# Allegro board FMDEMOD-Long.brd (continued)
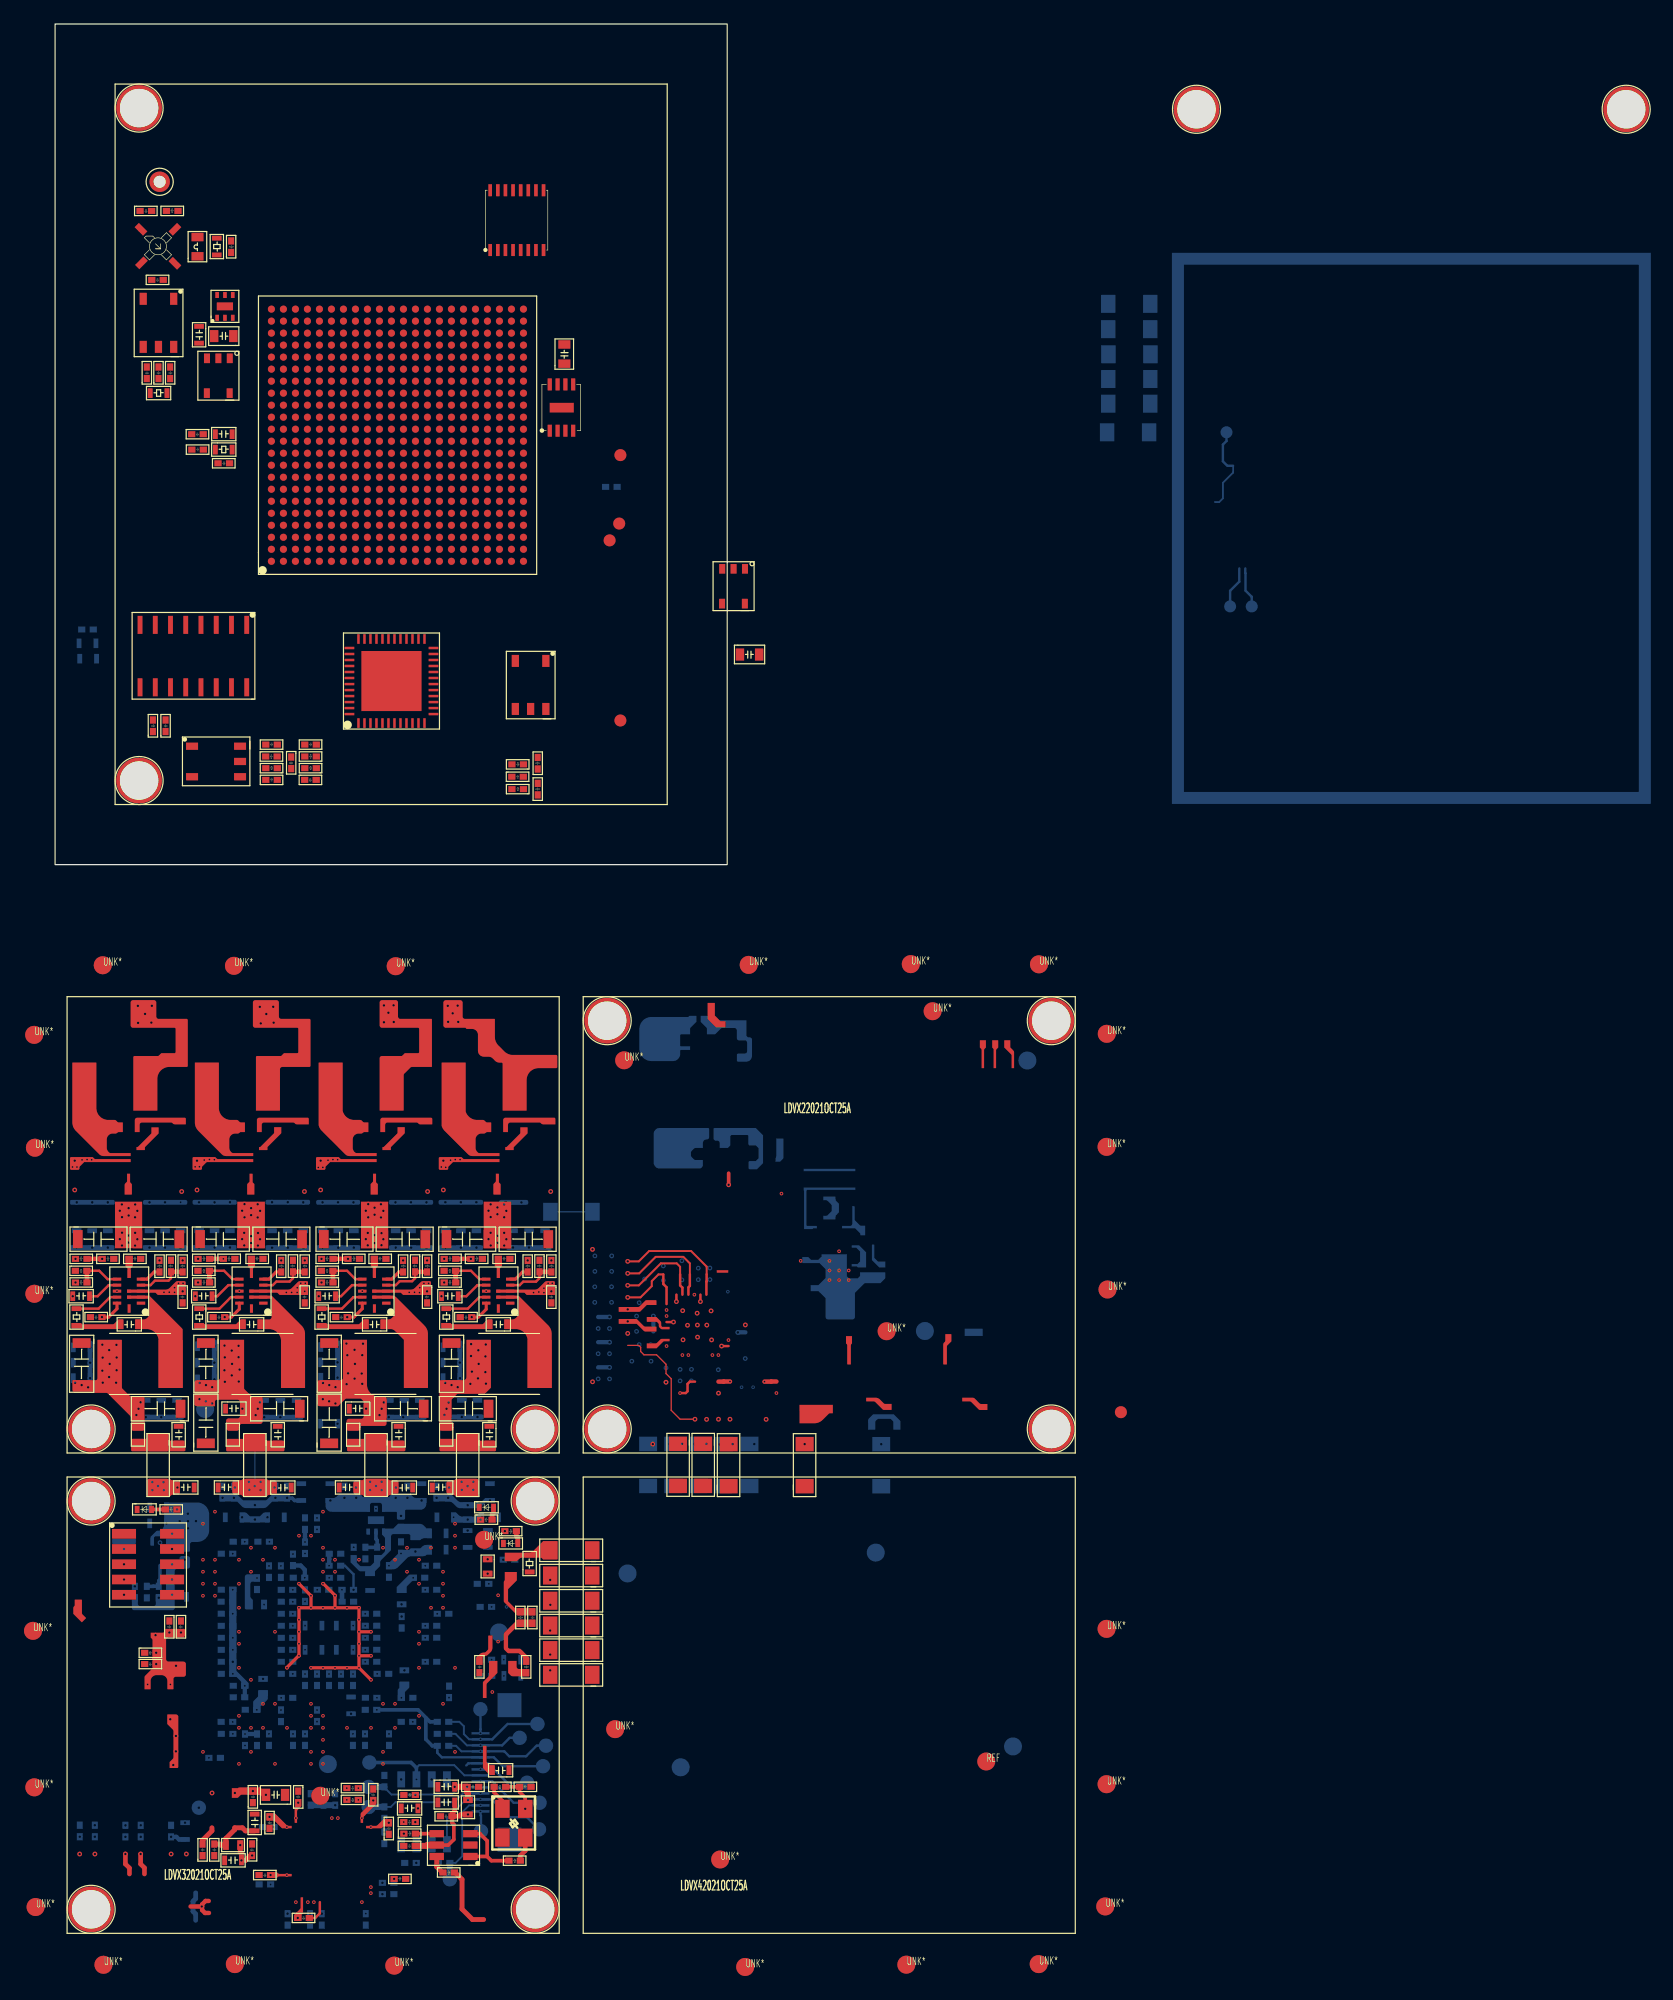
[diagram p0: board, top side]
## Placement (name value [footprint] x y rotation side) (continued)
NOREF  -  []  6.18 -55.27 0 top
NOREF#2  -  []  25.49 -90.38 0 top
NOREF#3  -  []  22.07 -72.47 0 top
NOREF#4  -  []  11.75 -48.05 90 top
NOREF#5  -  []  23.57 -51.47 0 top
NOREF#6  -  []  34.95 -83.53 90 top
NOREF#7  -  []  40.95 -36.96 0 top
NOREF#8  -  []  29.25 -30.4 90 top
NOREF#9  -  []  34.86 -62.78 90 top
NOREF#10  -  []  26.93 -61.78 90 top
NOREF#11  -  []  12.41 -38.48 90 top
NOREF#12  -  []  7 -32.01 0 top
NOREF#13  -  []  21.73 -63.78 90 top
NOREF#14  -  []  14.3 -71.92 90 top
NOREF#15  -  []  17.36 -56.92 90 top
NOREF#16  -  []  41.08 7.18 90 top
NOREF#17  -  []  11.65 -63.45 90 top
NOREF#18  -  []  33.48 -46.1 90 top
NOREF#19  -  []  33.49 -59.06 90 top
NOREF#20  -  []  41.11 -64.28 90 top
NOREF#21  -  []  20.07 -33.42 0 top
NOREF#22  -  []  28.22 -45.08 0 top
NOREF#23  -  []  22.92 -38.07 0 top
NOREF#24  -  []  18.25 42.31 90 top
NOREF#25  -  []  34.04 -57.65 90 top
NOREF#26  -  []  35.58 -54.75 90 top
NOREF#27  -  []  38.89 -55.9 90 top
NOREF#28  -  []  39.94 -58.19 0 top
NOREF#29  -  []  25.74 -31.98 90 top
NOREF#30  -  []  58.08 27.98 0 top
NOREF#31  -  []  18.41 -84.53 90 top
NOREF#32  -  []  27.05 -83.58 90 top
NOREF#33  -  []  4.72 -34 90 top
NOREF#34  -  []  16.07 -74.46 0 top
NOREF#35  -  []  20.44 -41.86 0 top
NOREF#36  -  []  15.9 -33.22 90 top
NOREF#37  -  []  28.74 -78.19 0 top
NOREF#38  -  []  8.78 -62.16 90 top
NOREF#39  -  []  22.61 -38.48 90 top
NOREF#40  -  []  20.85 -88.78 90 top
NOREF#41  -  []  34.82 -68.39 0 top
NOREF#42  -  []  26.17 -72.85 90 top
NOREF#43  -  []  21.94 8.82 0 top
NOREF#44  -  []  30.47 -82.1 90 top
NOREF#45  -  []  14.61 -83.62 90 top
NOREF#46  -  []  22.07 -69.46 0 top
NOREF#47  -  []  17.29 -72.85 0 top
NOREF#48  -  []  27.01 -58.91 90 top
NOREF#49  -  []  6.18 -55.27 90 top
NOREF#50  -  []  15.27 -68.56 90 top
NOREF#51  -  []  20.41 -36.96 90 top
NOREF#52  -  []  -0.18 -43.18 0 top
NOREF#53  -  []  33.26 -73.56 90 top
NOREF#54  -  []  22.17 -72.85 90 top
NOREF#55  -  []  27.5 -32.01 0 top
NOREF#56  -  []  18.38 -67.56 0 top
NOREF#57  -  []  18.31 -35.03 0 top
NOREF#58  -  []  40.89 12.96 90 top
NOREF#59  -  []  2.84 -34 0 top
NOREF#60  -  []  18.15 -45.87 0 top
NOREF#61  -  []  21.73 -63.78 0 top
NOREF#62  -  []  9.47 48.3 90 top
NOREF#63  -  []  1.37 -35.53 0 top
NOREF#64  -  []  27.65 -57.83 0 top
NOREF#65  -  []  33.39 -77.2 90 top
NOREF#66  -  []  24.86 -60.78 90 top
NOREF#67  -  []  28.6 -77.86 0 top
NOREF#68  -  []  30.12 -51.45 90 top
NOREF#69  -  []  33.83 -42.37 90 top
NOREF#70  -  []  2.49 -38.07 0 top
NOREF#71  -  []  35.44 -35.97 90 top
NOREF#72  -  []  33.29 -38.07 0 top
NOREF#73  -  []  28.79 -78.93 90 top
NOREF#74  -  []  19.31 -52.26 90 top
NOREF#75  -  []  25.48 -51.59 90 top
NOREF#76  -  []  23.63 -46.97 90 top
NOREF#77  -  []  11.51 14.31 0 top
NOREF#78  -  []  36.88 -56.72 0 top
NOREF#79  -  []  30.46 -35.03 0 top
NOREF#80  -  []  14.41 -62.02 0 top
NOREF#81  -  []  13.05 -34 0 top
NOREF#82  -  []  30.54 -28.8 0 top
NOREF#83  -  []  22.54 -30.38 0 top
NOREF#84  -  []  21.29 -54.87 0 top
NOREF#85  -  []  16.86 -60.78 90 top
NOREF#86  -  []  5.24 -31.98 90 top
NOREF#87  -  []  18.98 -32 90 top
NOREF#88  -  []  32.17 -46.1 90 top
NOREF#89  -  []  14.1 -44.9 0 top
NOREF#90  -  []  22.98 -60.78 0 top
NOREF#91  -  []  40.46 6.31 0 top
NOREF#92  -  []  19.76 -88.11 0 top
NOREF#93  -  []  36.47 -33.22 90 top
NOREF#94  -  []  26.15 -32.44 0 top
NOREF#95  -  []  12.88 -31.99 90 top
NOREF#96  -  []  15.32 10.5 90 top
NOREF#97  -  []  15.73 -80.58 90 top
NOREF#98  -  []  23.44 -61.56 0 top
NOREF#99  -  []  15.3 -69.87 90 top
NOREF#100  -  []  16.43 -75.42 0 top
NOREF#101  -  []  23.93 -63.77 90 top
NOREF#102  -  []  11.78 -63 0 top
NOREF#103  -  []  18.94 -53.19 0 top
NOREF#104  -  []  34.78 -46.1 90 top
NOREF#105  -  []  7 -66.97 0 top
NOREF#106  -  []  38.53 11.79 90 top
NOREF#107  -  []  33.53 -79.64 90 top
NOREF#108  -  []  35.96 -46.12 90 top
NOREF#109  -  []  28.3 -52.29 0 top
NOREF#110  -  []  8.88 -66.03 90 top
NOREF#111  -  []  23.95 -69.46 90 top
NOREF#112  -  []  23.72 -49.71 0 top
NOREF#113  -  []  42.34 8.46 90 top
NOREF#114  -  []  9.77 -62.16 90 top
NOREF#115  -  []  21.64 -88.11 90 top
NOREF#116  -  []  38.9 -67.15 0 top
NOREF#117  -  []  12.07 -39.03 0 top
NOREF#118  -  []  20.79 -54.75 90 top
NOREF#119  -  []  11.78 -62 0 top
NOREF#120  -  []  40.11 -64.28 90 top
NOREF#121  -  []  22.02 -48.05 90 top
NOREF#122  -  []  12.53 33.39 0 top
NOREF#123  -  []  21.68 -77.19 90 top
NOREF#124  -  []  31.98 -63.78 0 top
NOREF#125  -  []  28.59 -82.1 0 top
NOREF#126  -  []  39.2 5.11 0 top
NOREF#127  -  []  40.41 -31.99 90 top
NOREF#128  -  []  24.7 -49.71 0 top
NOREF#129  -  []  14.52 -67.99 0 top
NOREF#130  -  []  14.03 -81.25 0 top
NOREF#131  -  []  42.7 -35.03 90 top
NOREF#132  -  []  33.86 -66.78 90 top
NOREF#133  -  []  32.09 -35.53 0 top
NOREF#134  -  []  21.95 -59.48 90 top
NOREF#135  -  []  32.02 -55.8 90 top
NOREF#136  -  []  4.37 -38.07 90 top
NOREF#137  -  []  3.36 19.19 0 top
NOREF#138  -  []  35.82 -51.45 90 top
NOREF#139  -  []  8.27 -31.2 0 top
NOREF#140  -  []  -1.78 -41.59 0 top
NOREF#141  -  []  10.94 39.38 90 top
NOREF#142  -  []  1.39 -31.99 90 top
NOREF#143  -  []  37.29 -65 0 top
NOREF#144  -  []  11.49 -46.68 90 top
NOREF#145  -  []  28.97 -49.71 0 top
NOREF#146  -  []  36.13 -38.69 0 top
NOREF#147  -  []  23.07 -69.46 0 top
NOREF#148  -  []  18.69 5.88 0 top
NOREF#149  -  []  0 -90 90 top
NOREF#150  -  []  25.86 -57.78 90 top
NOREF#151  -  []  11.76 -83.62 0 top
NOREF#152  -  []  25.82 -38.69 0 top
NOREF#153  -  []  20.26 -61.56 90 top
NOREF#154  -  []  40.5 -67.96 90 top
NOREF#155  -  []  35.65 -53.75 0 top
NOREF#156  -  []  27.53 -63.11 0 top
NOREF#157  -  []  33.84 -43.19 90 top
NOREF#158  -  []  28.39 -69.77 0 top
NOREF#159  -  []  10.34 -54.87 0 top
NOREF#160  -  []  17.86 -56.78 90 top
NOREF#161  -  []  29.5 -70.1 90 top
NOREF#162  -  []  14.85 35.44 90 top
NOREF#163  -  []  8.99 39.38 90 top
NOREF#164  -  []  27.39 -44.52 90 top
NOREF#165  -  []  28.19 -81.21 90 top
NOREF#166  -  []  30.12 -49.85 0 top
NOREF#167  -  []  29.75 -51.59 90 top
NOREF#168  -  []  39.23 -83.34 90 top
NOREF#169  -  []  32.68 -55.29 0 top
NOREF#170  -  []  31.79 -77.69 0 top
NOREF#171  -  []  19.19 -53.94 0 top
NOREF#172  -  []  13.61 42.16 0 top
NOREF#173  -  []  25.73 -78.28 90 top
NOREF#174  -  []  21.8 -38.48 0 top
NOREF#175  -  []  57.47 21.73 90 top
NOREF#176  -  []  15.26 -58.56 90 top
NOREF#177  -  []  13.25 34.97 0 top
NOREF#178  -  []  3.98 -31.99 0 top
NOREF#179  -  []  36.47 -32.44 0 top
NOREF#180  -  []  3.02 -41.89 90 top
NOREF#181  -  []  8.1 -46.68 90 top
NOREF#182  -  []  26.98 -63.78 0 top
NOREF#183  -  []  17.96 -53.19 0 top
NOREF#184  -  []  32.98 -62.78 0 top
NOREF#185  -  []  37.72 20.67 0 top
NOREF#186  -  []  11.77 -43.28 0 top
NOREF#187  -  []  17.73 -70.81 90 top
NOREF#188  -  []  17.95 -74.46 90 top
NOREF#189  -  []  31.65 -79.64 0 top
NOREF#190  -  []  21.83 -90.38 90 top
NOREF#191  -  []  19.87 -78.58 90 top
NOREF#192  -  []  9.9 -33.42 0 top
NOREF#193  -  []  15.08 -52.28 90 top
NOREF#194  -  []  13.18 -36.34 90 top
NOREF#195  -  []  26.98 -64.78 0 top
NOREF#196  -  []  34 -76.9 0 top
NOREF#197  -  []  24.95 -69.46 90 top
NOREF#198  -  []  15.15 45.51 0 top
NOREF#199  -  []  10.05 -31.99 90 top
NOREF#200  -  []  26.98 -65.78 0 top
NOREF#201  -  []  33.4 -32 0 top
NOREF#202  -  []  31.38 -76.18 0 top
NOREF#203  -  []  16.26 -69.56 90 top
NOREF#204  -  []  34.78 -46.1 0 top
NOREF#205  -  []  16.43 -60.83 90 top
NOREF#206  -  []  30.29 -86.13 90 top
NOREF#207  -  []  3.11 -34.22 90 top
NOREF#208  -  []  10.92 35.45 0 top
NOREF#209  -  []  1.23 -34.22 0 top
NOREF#210  -  []  33.83 -34.22 90 top
NOREF#211  -  []  32.12 -33.42 90 top
NOREF#212  -  []  14.98 -60.78 0 top
NOREF#213  -  []  32.24 -43.19 90 top
NOREF#214  -  []  23.18 -30.4 90 top
NOREF#215  -  []  40.6 -68.39 90 top
NOREF#216  -  []  28.86 -65.78 90 top
NOREF#217  -  []  33.14 -51.59 90 top
NOREF#218  -  []  12.22 -54.87 90 top
NOREF#219  -  []  22.21 6.66 90 top
NOREF#220  -  []  6.11 -82.06 0 top
NOREF#221  -  []  32.9 -58.14 90 top
NOREF#222  -  []  30.34 -79 90 top
NOREF#223  -  []  24.41 -44.9 0 top
NOREF#224  -  []  12.62 -63.45 90 top
NOREF#225  -  []  40.72 -35.03 90 top
NOREF#226  -  []  22.33 -62.96 0 top
NOREF#227  -  []  27.05 -83.58 0 top
NOREF#228  -  []  28.68 -42.92 0 top
NOREF#229  -  []  25.05 -61.78 0 top
NOREF#230  -  []  33.98 -53.95 0 top
NOREF#231  -  []  33.21 -68.23 90 top
NOREF#232  -  []  25.39 -68.21 0 top
NOREF#233  -  []  23.95 -72.47 90 top
NOREF#234  -  []  22.03 -46.97 0 top
NOREF#235  -  []  29.97 -42.92 0 top
NOREF#236  -  []  41.08 5.11 90 top
NOREF#237  -  []  8.7 -44.53 90 top
NOREF#238  -  []  35.44 -34 90 top
NOREF#239  -  []  14.4 -45.88 0 top
NOREF#240  -  []  15.63 -83.33 90 top
NOREF#241  -  []  19.31 -52.26 0 top
NOREF#242  -  []  9.87 -31.2 90 top
NOREF#243  -  []  34.7 -32 0 top
NOREF#244  -  []  20.26 -70.56 90 top
NOREF#245  -  []  12.4 44.92 90 top
NOREF#246  -  []  28.47 -61.8 90 top
NOREF#247  -  []  31.95 -34.22 0 top
NOREF#248  -  []  14.51 -49.71 0 top
NOREF#249  -  []  26.98 -62.78 0 top
NOREF#250  -  []  13.38 -58.56 0 top
NOREF#251  -  []  8.75 -31.99 0 top
NOREF#252  -  []  27.43 -56.33 0 top
NOREF#253  -  []  33.73 -84.32 90 top
NOREF#254  -  []  25.84 -62.15 0 top
NOREF#255  -  []  14.41 -62.02 90 top
NOREF#256  -  []  36.23 -53.15 0 top
NOREF#257  -  []  27.26 -71.56 90 top
NOREF#258  -  []  26.01 -45.71 90 top
NOREF#259  -  []  15.38 -69.99 0 top
NOREF#260  -  []  13.52 -70.04 0 top
NOREF#261  -  []  23.65 -43.19 90 top
NOREF#262  -  []  21.95 -33.42 90 top
NOREF#263  -  []  8.75 -31.99 90 top
NOREF#264  -  []  35.6 -77.7 90 top
NOREF#265  -  []  17.05 -52.34 0 top
NOREF#266  -  []  20.41 -36.96 0 top
NOREF#267  -  []  14.67 52.27 90 top
NOREF#268  -  []  16.53 -84.53 0 top
NOREF#269  -  []  30.6 -36.96 90 top
NOREF#270  -  []  14.16 -31.99 0 top
NOREF#271  -  []  15.41 7.32 90 top
NOREF#272  -  []  13.64 -83.62 90 top
NOREF#273  -  []  18.98 -32 0 top
NOREF#274  -  []  11.6 -38.48 0 top
NOREF#275  -  []  36.83 -62.98 90 top
NOREF#276  -  []  40.6 -33.42 0 top
NOREF#277  -  []  27.29 -72.85 0 top
NOREF#278  -  []  25.39 -68.99 90 top
NOREF#279  -  []  25.49 -90.38 90 top
NOREF#280  -  []  35.82 -49.85 0 top
NOREF#281  -  []  17.83 -78.97 90 top
NOREF#282  -  []  19.71 -42.92 0 top
NOREF#283  -  []  25.29 -72.85 0 top
NOREF#284  -  []  25.86 -59.78 90 top
NOREF#285  -  []  18.65 -53.14 90 top
NOREF#286  -  []  8.03 9.02 0 top
NOREF#287  -  []  18.55 -82.02 90 top
NOREF#288  -  []  17.03 24.26 0 top
NOREF#289  -  []  28.86 -63.78 90 top
NOREF#290  -  []  16.23 -78.16 0 top
NOREF#291  -  []  33.86 -60.78 90 top
NOREF#292  -  []  22.17 -54.87 90 top
NOREF#293  -  []  27.98 -67.78 0 top
NOREF#294  -  []  12.88 -31.99 0 top
NOREF#295  -  []  14.35 -73.74 0 top
NOREF#296  -  []  39.23 -64.28 0 top
NOREF#297  -  []  28.46 -35.03 0 top
NOREF#298  -  []  32.68 -59.06 0 top
NOREF#299  -  []  41.54 -59 90 top
NOREF#300  -  []  15.98 -56.78 0 top
NOREF#301  -  []  17.23 -32.01 0 top
NOREF#302  -  []  17.83 -79.21 90 top
NOREF#303  -  []  7 -66.03 0 top
NOREF#304  -  []  20.19 -35.03 90 top
NOREF#305  -  []  41.72 -77.97 90 top
NOREF#306  -  []  25.22 -34 90 top
NOREF#307  -  []  17.64 -59.82 90 top
NOREF#308  -  []  11.78 -43.19 90 top
NOREF#309  -  []  6.98 -39.48 0 top
NOREF#310  -  []  26.12 -78.4 90 top
NOREF#311  -  []  13.37 -40.52 90 top
NOREF#312  -  []  21.89 -28.8 0 top
NOREF#313  -  []  23.71 -77.83 90 top
NOREF#314  -  []  6.18 -53.93 90 top
NOREF#315  -  []  27.65 -57.83 90 top
NOREF#316  -  []  15.63 -82.05 90 top
NOREF#317  -  []  17.04 -34 90 top
NOREF#318  -  []  11.44 -34.22 0 top
NOREF#319  -  []  16.02 49.88 90 top
NOREF#320  -  []  10.42 53.27 0 top
NOREF#321  -  []  16.67 -82.02 0 top
NOREF#322  -  []  36.23 -54.75 90 top
NOREF#323  -  []  35.78 -34 0 top
NOREF#324  -  []  11.58 -31.99 0 top
NOREF#325  -  []  18.18 -52.29 90 top
NOREF#326  -  []  37.92 -74.2 0 top
NOREF#327  -  []  26.12 -78.4 0 top
NOREF#328  -  []  43.05 42.76 0 top
NOREF#329  -  []  33.56 -35.97 0 top
NOREF#330  -  []  33 -38.48 90 top
NOREF#331  -  []  27.36 -46.12 0 top
NOREF#332  -  []  38.72 -68.39 0 top
NOREF#333  -  []  12.23 -30.38 0 top
NOREF#334  -  []  20.26 -65.56 90 top
NOREF#335  -  []  39.2 7.18 0 top
NOREF#336  -  []  31.38 -72.56 0 top
NOREF#337  -  []  1.42 -41.59 90 top
NOREF#338  -  []  36.7 -68.39 90 top
NOREF#339  -  []  19.71 -44.52 90 top
NOREF#340  -  []  15.9 -32.44 0 top
NOREF#341  -  []  22.05 -43.19 90 top
NOREF#342  -  []  20.26 -64.56 90 top
NOREF#343  -  []  24.44 -45.88 0 top
NOREF#344  -  []  30.63 -41.88 0 top
NOREF#345  -  []  23.85 -78.28 0 top
NOREF#346  -  []  15.05 42.63 90 top
NOREF#347  -  []  2.78 -80.46 0 top
NOREF#348  -  []  24.25 -59.55 90 top
NOREF#349  -  []  2.04 -30.38 0 top
NOREF#350  -  []  25.32 -61.56 90 top
NOREF#351  -  []  12.64 -61.38 90 top
NOREF#352  -  []  33.07 -83.53 0 top
NOREF#353  -  []  26.1 -58.91 0 top
NOREF#354  -  []  20.43 -32.01 90 top
NOREF#355  -  []  32.19 -38.48 0 top
NOREF#356  -  []  31.33 -51.47 0 top
NOREF#357  -  []  16.65 -59.82 0 top
NOREF#358  -  []  45.41 31.06 0 top
NOREF#359  -  []  8.5 54.05 90 top
NOREF#360  -  []  20.33 6.66 0 top
NOREF#361  -  []  16.3 42.63 90 top
NOREF#362  -  []  6.18 -53.93 0 top
NOREF#363  -  []  11.79 -64.78 90 top
NOREF#364  -  []  4.66 -80.46 90 top
NOREF#365  -  []  10.43 -80.47 0 top
NOREF#366  -  []  33.39 -78.5 90 top
NOREF#367  -  []  35.96 -31.98 90 top
NOREF#368  -  []  37.38 -46.68 90 top
NOREF#369  -  []  30.34 -35.03 90 top
NOREF#370  -  []  7.14 -44.52 90 top
NOREF#371  -  []  18.43 -73.42 90 top
NOREF#372  -  []  18.18 -52.29 0 top
NOREF#373  -  []  27.98 -58.91 90 top
NOREF#374  -  []  38.84 -35.03 0 top
NOREF#375  -  []  14.38 -69.56 0 top
NOREF#376  -  []  21.73 -34.22 0 top
NOREF#377  -  []  37.74 -31.99 0 top
NOREF#378  -  []  11.79 -64 0 top
NOREF#379  -  []  11.98 -35.03 90 top
NOREF#380  -  []  31.38 -73.56 0 top
NOREF#381  -  []  28.03 -85.27 90 top
NOREF#382  -  []  33.86 -63.78 90 top
NOREF#383  -  []  28.77 -51.59 90 top
NOREF#384  -  []  30.54 -30.4 90 top
NOREF#385  -  []  20.44 -40.58 0 top
NOREF#386  -  []  28.86 -64.78 90 top
NOREF#387  -  []  37.72 16.86 90 top
NOREF#388  -  []  20.29 -56.87 0 top
NOREF#389  -  []  11.79 -65.78 90 top
NOREF#390  -  []  45.41 31.06 90 top
NOREF#391  -  []  21.73 -65.8 90 top
NOREF#392  -  []  10.74 -63.45 0 top
NOREF#393  -  []  19.17 -72.85 90 top
NOREF#394  -  []  32.36 -49.71 0 top
NOREF#395  -  []  20.85 -86.9 0 top
NOREF#396  -  []  16.58 -55.04 0 top
NOREF#397  -  []  29.03 -46.68 90 top
NOREF#398  -  []  15.95 -79.21 0 top
NOREF#399  -  []  32.19 -45.88 0 top
NOREF#400  -  []  16 -46.68 90 top
NOREF#401  -  []  28.18 -57.3 90 top
NOREF#402  -  []  25.13 -58.91 0 top
NOREF#403  -  []  20.44 -43.14 90 top
NOREF#404  -  []  38.89 -65.81 90 top
NOREF#405  -  []  12.03 -81.28 90 top
NOREF#406  -  []  10.56 -42.92 0 top
NOREF#407  -  []  7.89 -62.16 0 top
NOREF#408  -  []  20.44 -41.86 90 top
NOREF#409  -  []  12.73 -83.62 0 top
NOREF#410  -  []  7.11 39.38 0 top
NOREF#411  -  []  16.43 -58.95 0 top
NOREF#412  -  []  11.79 -66.78 90 top
NOREF#413  -  []  9.06 39.38 0 top
NOREF#414  -  []  14.48 50.46 90 top
NOREF#415  -  []  36.56 -67.95 0 top
NOREF#416  -  []  13.37 -41.89 90 top
NOREF#417  -  []  7.79 -39.48 90 top
NOREF#418  -  []  17.67 -30.4 90 top
NOREF#419  -  []  11.77 -41.89 0 top
NOREF#420  -  []  23.17 -54.87 90 top
NOREF#421  -  []  34.99 -54.94 0 top
NOREF#422  -  []  19.65 -61.82 90 top
NOREF#423  -  []  10.05 -31.99 0 top
NOREF#424  -  []  32.65 -81.58 90 top
NOREF#425  -  []  29.38 -59.78 0 top
NOREF#426  -  []  11.79 -82.06 90 top
NOREF#427  -  []  22.95 -69.46 90 top
NOREF#428  -  []  32.76 -46.12 0 top
NOREF#429  -  []  34.7 -32 90 top
NOREF#430  -  []  13.07 53.08 0 top
NOREF#431  -  []  3.02 -40.61 90 top
NOREF#432  -  []  7.82 39.67 0 top
NOREF#433  -  []  7.45 -31.48 0 top
NOREF#434  -  []  7.76 12.5 90 top
NOREF#435  -  []  28.68 -44.52 90 top
NOREF#436  -  []  1.53 -80.46 0 top
NOREF#437  -  []  28.59 -80.12 0 top
NOREF#438  -  []  13.27 -53.95 90 top
NOREF#439  -  []  37.01 -55.9 0 top
NOREF#440  -  []  23.73 -78.79 90 top
NOREF#441  -  []  14.54 39.26 90 top
NOREF#442  -  []  18.98 -86.9 0 top
NOREF#443  -  []  24.48 -28.8 0 top
NOREF#444  -  []  11.41 9.86 0 top
NOREF#445  -  []  33.48 -46.1 0 top
NOREF#446  -  []  37.66 -34 90 top
NOREF#447  -  []  18.38 -65.56 0 top
NOREF#448  -  []  22.15 -35.03 90 top
NOREF#449  -  []  33.78 -46.68 90 top
NOREF#450  -  []  14.35 -73.74 90 top
NOREF#451  -  []  9.42 38.86 90 top
NOREF#452  -  []  26.15 -33.22 90 top
NOREF#453  -  []  9.99 -60.55 90 top
NOREF#454  -  []  27.41 -79.33 0 top
NOREF#455  -  []  8.03 9.02 90 top
NOREF#456  -  []  32.17 -51.59 90 top
NOREF#457  -  []  28.7 -70.1 0 top
NOREF#458  -  []  30.48 -77.86 90 top
NOREF#459  -  []  33.26 -72.56 90 top
NOREF#460  -  []  25.22 -35.97 90 top
NOREF#461  -  []  27.97 -32 90 top
NOREF#462  -  []  31.38 -74.56 0 top
NOREF#463  -  []  29.17 -72.85 90 top
NOREF#464  -  []  18.69 8.82 0 top
NOREF#465  -  []  36.12 -77.19 0 top
NOREF#466  -  []  20.26 -62.56 90 top
NOREF#467  -  []  40.46 8.46 0 top
NOREF#468  -  []  32.12 -56.26 0 top
NOREF#469  -  []  37.59 6.93 0 top
NOREF#470  -  []  36.97 -75.7 0 top
NOREF#471  -  []  14.03 -82.52 0 top
NOREF#472  -  []  18.43 -73.42 0 top
NOREF#473  -  []  24.5 -51.59 90 top
NOREF#474  -  []  16.78 -62 0 top
NOREF#475  -  []  8.44 -42.92 0 top
NOREF#476  -  []  20.44 -40.58 90 top
NOREF#477  -  []  24.25 -69.22 90 top
NOREF#478  -  []  33.35 -66.6 90 top
NOREF#479  -  []  39.08 -31.99 0 top
NOREF#480  -  []  0 -90 0 top
NOREF#481  -  []  19.38 -60.55 0 top
NOREF#482  -  []  20.07 -59.48 0 top
NOREF#483  -  []  13.27 -52.35 0 top
NOREF#484  -  []  35.77 -45.87 0 top
NOREF#485  -  []  30.63 -40.61 90 top
NOREF#486  -  []  27.99 -49.71 0 top
NOREF#487  -  []  20.26 -67.56 90 top
NOREF#488  -  []  0.57 -35.28 0 top
NOREF#489  -  []  21.87 -35.53 0 top
NOREF#490  -  []  36.87 -54.94 90 top
NOREF#491  -  []  40.95 -32.01 90 top
NOREF#492  -  []  9.96 39.38 90 top
NOREF#493  -  []  17.26 -70.77 90 top
NOREF#494  -  []  18.38 -62.56 0 top
NOREF#495  -  []  25.38 -71.56 0 top
NOREF#496  -  []  15.73 -79.8 0 top
NOREF#497  -  []  36.59 -60.28 90 top
NOREF#498  -  []  40.41 -31.99 0 top
NOREF#499  -  []  32.43 -66.35 0 top
NOREF#500  -  []  23.18 -28.8 0 top
NOREF#501  -  []  38.44 -67.95 90 top
NOREF#502  -  []  14.85 34.16 90 top
NOREF#503  -  []  12.07 -39.03 90 top
NOREF#504  -  []  28.03 -85.27 0 top
NOREF#505  -  []  37.75 -32.01 0 top
NOREF#506  -  []  8.17 -35.03 0 top
NOREF#507  -  []  31.39 -49.71 0 top
NOREF#508  -  []  23.47 -36.34 90 top
NOREF#509  -  []  18.69 6.86 0 top
NOREF#510  -  []  14.93 -35.97 90 top
NOREF#511  -  []  19.29 -72.85 0 top
NOREF#512  -  []  20.77 -45.33 90 top
NOREF#513  -  []  19.65 -61.82 0 top
NOREF#514  -  []  20.27 -35.03 0 top
NOREF#515  -  []  0.57 -36.88 90 top
NOREF#516  -  []  11.79 -66 0 top
NOREF#517  -  []  -0.18 -43.18 90 top
NOREF#518  -  []  34.78 -58.56 90 top
NOREF#519  -  []  23.34 -34 0 top
NOREF#520  -  []  29.07 -56.3 0 top
NOREF#521  -  []  33.4 -32 90 top
NOREF#522  -  []  33.69 -36.34 90 top
NOREF#523  -  []  10.24 -36.96 90 top
NOREF#524  -  []  20.57 6.86 90 top
NOREF#525  -  []  11.79 -65 0 top
NOREF#526  -  []  39.84 -77.97 0 top
NOREF#527  -  []  16.78 -62.78 90 top
NOREF#528  -  []  32.76 -30.38 0 top
NOREF#529  -  []  7.38 -82.06 0 top
NOREF#530  -  []  31.98 -60.78 0 top
NOREF#531  -  []  20.29 -54.87 0 top
NOREF#532  -  []  28.47 -61.8 0 top
NOREF#533  -  []  18.38 -70.56 0 top
NOREF#534  -  []  30.2 -81.87 0 top
NOREF#535  -  []  37.35 -83.34 0 top
NOREF#536  -  []  25.17 -52.28 90 top
NOREF#537  -  []  3.56 17.55 0 top
NOREF#538  -  []  13.56 -49.71 0 top
NOREF#539  -  []  21.89 -30.4 90 top
NOREF#540  -  []  8.7 -44.53 90 top
NOREF#541  -  []  11.58 -35.53 0 top
NOREF#542  -  []  11.69 -52.28 90 top
NOREF#543  -  []  23.34 -35.97 0 top
NOREF#544  -  []  40.81 -35.03 0 top
NOREF#545  -  []  56.53 24.63 0 top
NOREF#546  -  []  30.7 -32.01 90 top
NOREF#547  -  []  9.89 -45.87 0 top
NOREF#548  -  []  31.79 -76.39 0 top
NOREF#549  -  []  26.66 -62.15 90 top
NOREF#550  -  []  12.49 -73.03 0 top
NOREF#551  -  []  18.75 -53.19 90 top
NOREF#552  -  []  32.12 -32 90 top
NOREF#553  -  []  10.52 50.83 0 top
NOREF#554  -  []  20.57 5.88 90 top
NOREF#555  -  []  11.77 -40.52 0 top
NOREF#556  -  []  30.95 -56.3 90 top
NOREF#557  -  []  10.05 -35.03 90 top
NOREF#558  -  []  26.78 -71.77 90 top
NOREF#559  -  []  16.78 -67 0 top
NOREF#560  -  []  27.53 -63.89 90 top
NOREF#561  -  []  17.64 -59.82 0 top
NOREF#562  -  []  6.9 -62.16 0 top
NOREF#563  -  []  33.26 -74.56 90 top
NOREF#564  -  []  21.94 7.83 0 top
NOREF#565  -  []  16.78 -65 0 top
NOREF#566  -  []  33.56 -34 0 top
NOREF#567  -  []  7.34 43.12 0 top
NOREF#568  -  []  5.07 -34 0 top
NOREF#569  -  []  15.22 -79.76 0 top
NOREF#570  -  []  16.78 -67.78 90 top
NOREF#571  -  []  39.47 6.93 90 top
NOREF#572  -  []  38.23 -64.28 0 top
NOREF#573  -  []  20.29 -72.85 0 top
NOREF#574  -  []  56.86 18.12 0 top
NOREF#575  -  []  3.41 -80.46 90 top
NOREF#576  -  []  22.37 -59.55 0 top
NOREF#577  -  []  35.47 -77.97 0 top
NOREF#578  -  []  21.26 -60.55 90 top
NOREF#579  -  []  32.17 -46.1 0 top
NOREF#580  -  []  30.9 -52.35 0 top
NOREF#581  -  []  22.33 -64.98 0 top
NOREF#582  -  []  22.52 -49.85 0 top
NOREF#583  -  []  21.94 6.86 0 top
NOREF#584  -  []  15.22 -80.54 90 top
NOREF#585  -  []  21.73 -65.8 0 top
NOREF#586  -  []  18.96 8.61 90 top
NOREF#587  -  []  22.02 -48.05 90 top
NOREF#588  -  []  9.91 -82.06 0 top
NOREF#589  -  []  26.91 -78.93 0 top
NOREF#590  -  []  38 -77.19 90 top
NOREF#591  -  []  13.28 -74.91 90 top
NOREF#592  -  []  13.38 -43.19 90 top
NOREF#593  -  []  29.86 -67.78 90 top
NOREF#594  -  []  11.58 -31.99 90 top
NOREF#595  -  []  20.9 -75.31 0 top
NOREF#596  -  []  14.16 -31.99 90 top
NOREF#597  -  []  30.24 -33.42 0 top
NOREF#598  -  []  28.39 -69.77 90 top
NOREF#599  -  []  18.38 -64.56 0 top
NOREF#600  -  []  5.24 19.19 90 top
NOREF#601  -  []  58.86 16.87 90 top
NOREF#602  -  []  10.1 -35.03 0 top
NOREF#603  -  []  16.43 -75.42 90 top
NOREF#604  -  []  11.04 -60.57 0 top
NOREF#605  -  []  8.88 -66.97 90 top
NOREF#606  -  []  30.47 -80.12 90 top
NOREF#607  -  []  14.93 -34 90 top
NOREF#608  -  []  15.16 -34 0 top
NOREF#609  -  []  2.97 -36.34 90 top
NOREF#610  -  []  8.08 39.38 0 top
NOREF#611  -  []  24.29 -72.85 0 top
NOREF#612  -  []  20.27 -32 90 top
NOREF#613  -  []  13.39 -68.56 0 top
NOREF#614  -  []  23.82 7.83 90 top
NOREF#615  -  []  14.14 49.88 0 top
NOREF#616  -  []  18.38 -61.56 0 top
NOREF#617  -  []  22.95 -78.79 0 top
NOREF#618  -  []  15.43 -31.98 90 top
NOREF#619  -  []  36.13 -38.69 90 top
NOREF#620  -  []  3.98 -31.99 90 top
NOREF#621  -  []  17.08 8.61 0 top
NOREF#622  -  []  20.44 -43.14 0 top
NOREF#623  -  []  25.82 -38.69 90 top
NOREF#624  -  []  2.68 -31.99 90 top
NOREF#625  -  []  21.07 -69.46 0 top
NOREF#626  -  []  42.34 6.31 90 top
NOREF#627  -  []  11.78 -63.78 90 top
NOREF#628  -  []  10.24 -36.96 0 top
NOREF#629  -  []  40.95 -36.96 90 top
NOREF#630  -  []  26.98 -66.78 0 top
NOREF#631  -  []  26.81 -85.19 90 top
NOREF#632  -  []  26.81 -85.19 0 top
NOREF#633  -  []  11.78 -33.42 90 top
NOREF#634  -  []  31.53 18.79 0 top
NOREF#635  -  []  13.37 -43.28 90 top
NOREF#636  -  []  37.74 -31.99 90 top
NOREF#637  -  []  29.57 -77.91 90 top
NOREF#638  -  []  22.17 -56.87 90 top
NOREF#639  -  []  21.36 -76.85 90 top
NOREF#640  -  []  19.92 8.5 0 top
NOREF#641  -  []  32.12 -32 0 top
NOREF#642  -  []  25.73 -77.3 90 top
NOREF#643  -  []  20.27 -32 0 top
NOREF#644  -  []  8.11 -60.55 0 top
NOREF#645  -  []  45.05 41.51 90 top
NOREF#646  -  []  29.38 -59.78 90 top
NOREF#647  -  []  28.86 -62.78 90 top
NOREF#648  -  []  23.98 -59.78 0 top
NOREF#649  -  []  15.57 -38.69 0 top
NOREF#650  -  []  15.7 -45.71 90 top
NOREF#651  -  []  31.27 -85.64 90 top
NOREF#652  -  []  20.24 -46.12 90 top
NOREF#653  -  []  28.41 -86.13 0 top
NOREF#654  -  []  25.99 -68.82 90 top
NOREF#655  -  []  11.77 -61.77 90 top
NOREF#656  -  []  9.77 -63.45 0 top
NOREF#657  -  []  27.42 -34 90 top
NOREF#658  -  []  32.93 -52.28 90 top
NOREF#659  -  []  37.35 -77.97 90 top
NOREF#660  -  []  1.39 -31.99 0 top
NOREF#661  -  []  1.42 -41.89 0 top
NOREF#662  -  []  25.54 -34 0 top
NOREF#663  -  []  29.97 -44.52 90 top
NOREF#664  -  []  35.65 -55.35 90 top
NOREF#665  -  []  28.75 -81.58 90 top
NOREF#666  -  []  11.77 -60.99 0 top
NOREF#667  -  []  8.54 10.62 90 top
NOREF#668  -  []  21.17 -72.85 90 top
NOREF#669  -  []  40.03 1.26 90 top
NOREF#670  -  []  29.25 -28.8 0 top
NOREF#671  -  []  13.25 36.25 0 top
NOREF#672  -  []  28.21 -58.21 90 top
NOREF#673  -  []  34.72 -59.5 0 top
NOREF#674  -  []  9.88 43.12 90 top
NOREF#675  -  []  39.08 -31.99 90 top
NOREF#676  -  []  30.9 -53.95 90 top
NOREF#677  -  []  10.2 -32.01 90 top
NOREF#678  -  []  8.44 -44.52 90 top
NOREF#679  -  []  40.17 -78.2 90 top
NOREF#680  -  []  1 -49 90 top
NOREF#681  -  []  23.82 8.82 90 top
NOREF#682  -  []  12.48 51.71 0 top
NOREF#683  -  []  42.48 -33.42 90 top
NOREF#684  -  []  24.8 -38.07 90 top
NOREF#685  -  []  21.83 -77.83 0 top
NOREF#686  -  []  23.61 -34.22 90 top
NOREF#687  -  []  14.33 47.02 90 top
NOREF#688  -  []  30.63 -40.61 0 top
NOREF#689  -  []  19.75 -46.68 90 top
NOREF#690  -  []  23.85 -77.3 0 top
NOREF#691  -  []  27.39 -42.92 0 top
NOREF#692  -  []  14.94 -84.54 0 top
NOREF#693  -  []  22.52 -51.45 90 top
NOREF#694  -  []  32.34 -35.03 90 top
NOREF#695  -  []  19.17 -45.33 0 top
NOREF#696  -  []  6.5 -45.88 0 top
NOREF#697  -  []  6.95 -34 90 top
NOREF#698  -  []  12.3 53.27 90 top
NOREF#699  -  []  23.93 -65.79 90 top
NOREF#700  -  []  17.04 -46.12 0 top
NOREF#701  -  []  14.99 33.03 90 top
NOREF#702  -  []  30.56 -46.12 90 top
NOREF#703  -  []  27.97 -32 0 top
NOREF#704  -  []  31.98 -66.78 0 top
NOREF#705  -  []  5.1 18.03 90 top
NOREF#706  -  []  7.14 -42.92 0 top
NOREF#707  -  []  38.35 12.96 0 top
NOREF#708  -  []  11.37 -44.52 90 top
NOREF#709  -  []  61.18 24.78 90 top
NOREF#710  -  []  26.3 -57.3 0 top
NOREF#711  -  []  12.8 35.45 90 top
NOREF#712  -  []  16.93 -70.81 0 top
NOREF#713  -  []  20.57 8.82 90 top
NOREF#714  -  []  2.68 -31.99 0 top
NOREF#715  -  []  24.25 -67.62 0 top
NOREF#716  -  []  3.5 18.84 0 top
NOREF#717  -  []  14.41 33.39 90 top
NOREF#718  -  []  34.04 -56.85 0 top
NOREF#719  -  []  10.09 -51.47 0 top
NOREF#720  -  []  23.82 6.86 90 top
NOREF#721  -  []  19.72 -53.19 90 top
NOREF#722  -  []  26.04 -46.68 90 top
NOREF#723  -  []  4.72 -35.97 90 top
NOREF#724  -  []  17 -42.92 0 top
NOREF#725  -  []  19.87 -78.58 0 top
NOREF#726  -  []  16.65 -59.82 90 top
NOREF#727  -  []  32.08 -81.87 90 top
NOREF#728  -  []  15.57 -38.69 90 top
NOREF#729  -  []  13.05 -35.97 0 top
NOREF#730  -  []  27.17 -72.85 90 top
NOREF#731  -  []  23.98 -57.78 0 top
NOREF#732  -  []  31.98 -64.78 0 top
NOREF#733  -  []  6.62 54.05 0 top
NOREF#734  -  []  11.78 -62.78 90 top
NOREF#735  -  []  30.42 -55 0 top
NOREF#736  -  []  11.59 46.52 0 top
NOREF#737  -  []  31.85 -84.32 0 top
NOREF#738  -  []  14.34 -51.59 90 top
NOREF#739  -  []  13.11 33.03 0 top
NOREF#740  -  []  13.48 -51.47 0 top
NOREF#741  -  []  26.78 -70.99 0 top
NOREF#742  -  []  8.23 -33.36 90 top
NOREF#743  -  []  13.32 -34.22 90 top
NOREF#744  -  []  30.6 -36.96 0 top
NOREF#745  -  []  36.88 -57.5 90 top
NOREF#746  -  []  24.48 -30.4 90 top
NOREF#747  -  []  17.67 -28.8 0 top
NOREF#748  -  []  1.42 -40.61 0 top
NOREF#749  -  []  32.23 -41.56 0 top
NOREF#750  -  []  18.98 -88.78 90 top
NOREF#751  -  []  19.36 -75.6 0 top
NOREF#752  -  []  21.83 -90.38 0 top
NOREF#753  -  []  30.63 -41.88 90 top
NOREF#754  -  []  39.52 -75.01 90 top
NOREF#755  -  []  21.8 8.5 90 top
NOREF#756  -  []  7.59 48.3 0 top
NOREF#757  -  []  34.28 -56.1 90 top
NOREF#758  -  []  2.84 -35.97 0 top
NOREF#759  -  []  15.29 -51.59 90 top
NOREF#760  -  []  27.69 -77.91 0 top
NOREF#761  -  []  17 -44.52 90 top
NOREF#762  -  []  24.07 -69.46 0 top
NOREF#763  -  []  29.39 -85.64 0 top
NOREF#764  -  []  9.26 -82.06 90 top
NOREF#765  -  []  34.95 -62.98 0 top
NOREF#766  -  []  35.17 -38.07 90 top
NOREF#767  -  []  11.75 -48.05 90 top
NOREF#768  -  []  5.16 16.74 90 top
NOREF#769  -  []  33.35 -65.82 0 top
NOREF#770  -  []  14.94 -85.32 90 top
NOREF#771  -  []  28.3 -52.29 90 top
NOREF#772  -  []  28.86 -66.78 90 top
NOREF#773  -  []  16.78 -65.78 90 top
NOREF#774  -  []  25.95 -69.46 90 top
NOREF#775  -  []  30.55 -82.38 0 top
NOREF#776  -  []  25.21 -66.94 0 top
NOREF#777  -  []  7.99 -82.06 90 top
NOREF#778  -  []  33.86 -64.78 90 top
NOREF#779  -  []  33.97 -58.56 0 top
R49  100K  [R0402]  2.67 -32.58 180 top
R50  DNP  [R0402]  4.9 -32.58 180 top
R51  100K  [R0402]  12.88 -32.58 180 top
R52  DNP  [R0402]  14.99 -32.58 180 top
R53  100K  [R0402]  23.17 -32.58 180 top
R54  DNP  [R0402]  25.37 -32.58 180 top
R55  100K  [R0402]  33.39 -32.58 180 top
R56  DNP  [R0402]  35.61 -32.58 180 top
R57  100K  [R0402]  8.95 -33.94 90 top
R58  787K  [R0402]  9.4 -32.94 270 top
R59  DNP  [R0402]  10.88 -33.94 90 top
R60  100K  [R0402]  19.09 -33.94 90 top
R61  499K  [R0402]  19.57 -32.94 270 top
R62  DNP  [R0402]  21.05 -33.94 90 top
R63  100K  [R0402]  29.25 -33.94 90 top
R64  180K  [R0402]  29.74 -32.94 270 top
R65  DNP  [R0402]  31.24 -33.94 90 top
R66  100K  [R0402]  39.62 -33.94 90 top
R67  180K  [R0402]  40.1 -32.94 270 top
R68  DNP  [R0402]  41.59 -33.94 90 top
R69  40.2K  [R0402]  1.68 -34.08 0 top
R70  40.2K  [R0402]  11.89 -34.08 0 top
R71  40.2K  [R0402]  22.18 -34.08 0 top
R72  40.2K  [R0402]  32.4 -34.08 0 top
R75  294K  [R0402]  2.67 -34.55 180 top
R76  182K  [R0402]  12.88 -34.55 180 top
R77  127K  [R0402]  23.17 -34.55 180 top
R78  40.2K  [R0402]  33.39 -34.55 180 top
R86  0  [R0603]  1.38 -36.88 270 top
R87  0  [R0603]  11.6 -36.88 270 top
R88  0  [R0603]  21.8 -36.88 270 top
R89  0  [R0603]  32.19 -36.88 270 top
R115  0  [R1206]  51.1 -48.39 270 top
R116  0  [R1206]  53.19 -48.39 270 top
R117  0  [R1206]  56.92 -51.61 90 top
R120  DNP  [R1206]  63.25 -51.61 90 top
R129  0  [R1206]  7.78 -48.4 270 top
R130  0  [R1206]  15.84 -48.4 270 top
R131  0  [R1206]  25.93 -48.4 270 top
R132  0  [R1206]  33.57 -48.4 270 top
R133  1K  [R0402]  10.17 -53.45 180 top
R136  1K  [R0402]  35.44 -54.8 0 top
R137  1K  [R0402]  37.46 -55.76 0 top
R138  DNP  [R1206]  44.6 -56.3 180 top
R139  10K  [R0603]  39.94 -59 90 top
R141  0  [R1206]  44.6 -58.4 180 top
R142  49.9  [R0402]  10.25 54.69 180 top
R143  0  [R1206]  44.6 -60.5 180 top
R146  10K  [R0402]  39.01 -63.19 90 top
R147  0  [R1206]  44.6 -62.56 180 top
R148  39  [R0603]  13.07 52.27 270 top
R149  0  [R1206]  44.6 -64.61 180 top
R151  5.1K  [R0402]  39.5 -67.3 90 top
R152  DNP  [R1206]  44.6 -66.67 180 top
R161  10  [R0603]  13.25 34.16 0 top
R162  51  [R0603]  7.82 38.86 0 top
R166  1K  [R0402]  36.57 -77.05 0 top
R167  100  [R0402]  24.3 -77.16 0 top
R169  100  [R0402]  24.3 -78.14 0 top
R174  25  [R0402]  29.04 -79.98 0 top
R177  100  [R0402]  30.03 -80.45 180 top
R185  33  [R0402]  37.8 -83.2 0 top
R188  100  [R0402]  32.3 -84.18 0 top
R191  49.9  [R0402]  39.96 8.93 270 top
R192  33  [R0402]  39.03 8.6 180 top
R193  DNP  [R0402]  17.53 8.75 0 top
R194  33  [R0402]  21.77 9.25 180 top
R195  DNP  [R0402]  18.52 8.28 180 top
R196  33  [R0402]  21.77 8.28 180 top
R197  33  [R0402]  39.03 6.53 180 top
R198  49.9  [R0402]  39.96 6.78 270 top
R231  0  [R1206]  44.62 -29.71 180 bottom
R281  DNP  [R1206]  68.03 -51.61 90 bottom
R282  0  [R1206]  58.66 -48.39 270 bottom
R283  0  [R1206]  54.91 -51.61 90 bottom
R284  0  [R1206]  54.4 -48.39 270 bottom
R285  0  [R1206]  52.32 -48.39 270 bottom
R286  0  [R1206]  50.21 -48.39 270 bottom
R287  0  [R1206]  35.18 -48.41 270 bottom
R288  0  [R1206]  27.55 -48.41 270 bottom
R289  0  [R1206]  17.45 -48.41 270 bottom
R290  0  [R1206]  9.39 -48.41 270 bottom
R292  DNP  [R0402]  28.57 -55.21 90 bottom
R293  10K  [R0402]  22.07 -54.4 270 bottom
R294  0  [R0402]  21.07 -54.4 270 bottom
R295  DNP  [R0402]  21.07 -56.4 270 bottom
R296  0  [R1206]  91.09 45.89 180 bottom
R304  51.1K  [R0402]  27.08 -56.83 270 bottom
R305  40.2K  [R0402]  25.6 -57.82 90 bottom
R306  51.1K  [R0402]  24.63 -57.82 90 bottom
R307  DNP  [R0402]  23.81 -57.64 180 bottom
R308  DNP  [R0402]  14.92 50.97 90 top
R310  DNP  [R0402]  19.57 -58.39 90 bottom
R311  0  [R0402]  22.82 -58.13 0 bottom
R312  0  [R1206]  91.09 43.79 180 bottom
R313  0  [R0402]  19.83 -59.13 0 bottom
R314  DNP  [R0402]  23.89 -60.14 0 bottom
R315  51.1K  [R0402]  8.89 -60.08 270 bottom
R316  40.2K  [R0402]  7.39 -61.07 90 bottom
R317  51.1K  [R0402]  6.4 -61.07 90 bottom
R318  0  [R1206]  91.11 41.7 180 bottom
R319  0  [R0402]  24.88 -61.64 180 bottom
R325  0  [R1206]  91.1 39.64 180 bottom
R333  0  [R1206]  91.09 37.59 180 bottom
R351  10K  [R0402]  21.57 -71.38 90 bottom
R352  1K  [R0402]  31.83 -71.14 0 bottom
R353  1K  [R0402]  31.83 -72.14 0 bottom
R355  10K  [R0402]  15.57 -73.37 90 bottom
R356  1K  [R0402]  31.83 -73.14 0 bottom
R357  10K  [R0402]  27.19 -76.82 90 bottom
R362  10K  [R0402]  27.69 -78.46 270 bottom
R364  10  [R0603]  10.43 -81.28 90 bottom
R365  51  [R0402]  6.88 -80.97 90 bottom
R366  51  [R0402]  5.61 -80.97 90 bottom
R367  51  [R0402]  2.31 -79.99 270 bottom
R375  10K  [R0402]  32.9 -83.39 180 bottom
R376  0  [R1206]  91 35.2 180 bottom
REF  -  [unnamed#2]  77.58 -74.69 0 top
T2  ETC1-1T-2TR  [SM-22]  10.52 47.02 180 top
T3  ETC1-1T-2TR  [SM-22]  41.53 16.86 180 top
T4  ETC1-1T-2TR  [SM-22]  11.51 10.5 270 top
TP3  T POINT R  [TP_THR_CIR_1D7_1D0]  8.71 56.86 0 top
TP11  T POINT R  [TP_SMD_CIR_2D0]  11.07 -54.68 180 bottom
TP12  T POINT R  [TP_SMD_CIR_2D0]  5.74 -56.32 180 bottom
TP13  T POINT S  [TP_SMD_CIR_1D2]  35.44 -70.34 180 bottom
TP14  T POINT S  [TP_SMD_CIR_1D2]  40.19 -71.57 180 bottom
TP15  T POINT S  [TP_SMD_CIR_1D2]  38.7 -72.72 180 bottom
TP16  T POINT S  [TP_SMD_CIR_1D2]  40.9 -73.37 180 bottom
TP17  T POINT S  [TP_SMD_CIR_1D2]  26.19 -74.77 180 bottom
TP18  T POINT S  [TP_SMD_CIR_1D2]  40.66 -75.08 180 bottom
TP19  T POINT S  [TP_SMD_CIR_1D2]  39.32 -76.46 180 bottom
TP20  T POINT S  [TP_SMD_CIR_1D2]  26.12 -76.81 180 bottom
